# Altium PCB control_panel.PcbDoc (part 1 of 3)
Units mm, origin at the board's own origin, x right, y up, seen from the top; angles counter-clockwise.
Board outline 120 x 480 mm, 2 copper layers (Top Layer, Bottom Layer), stack 1.635 mm thick; 265 components, 200 nets, 829 pads, 401 vias.
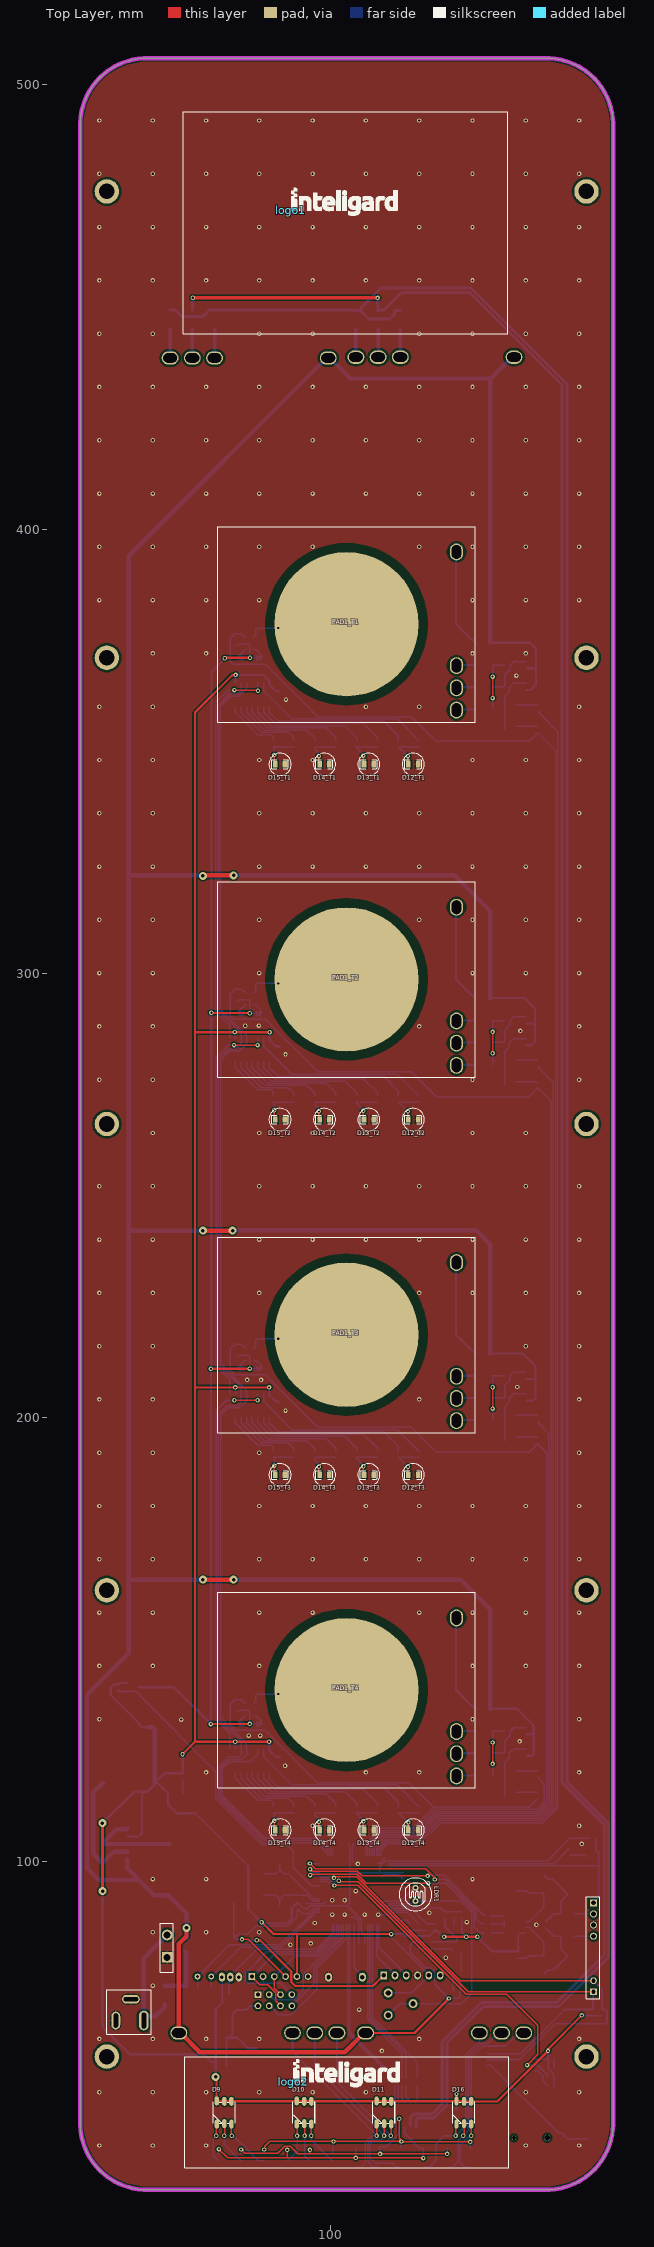
[diagram p0: Top Layer view]
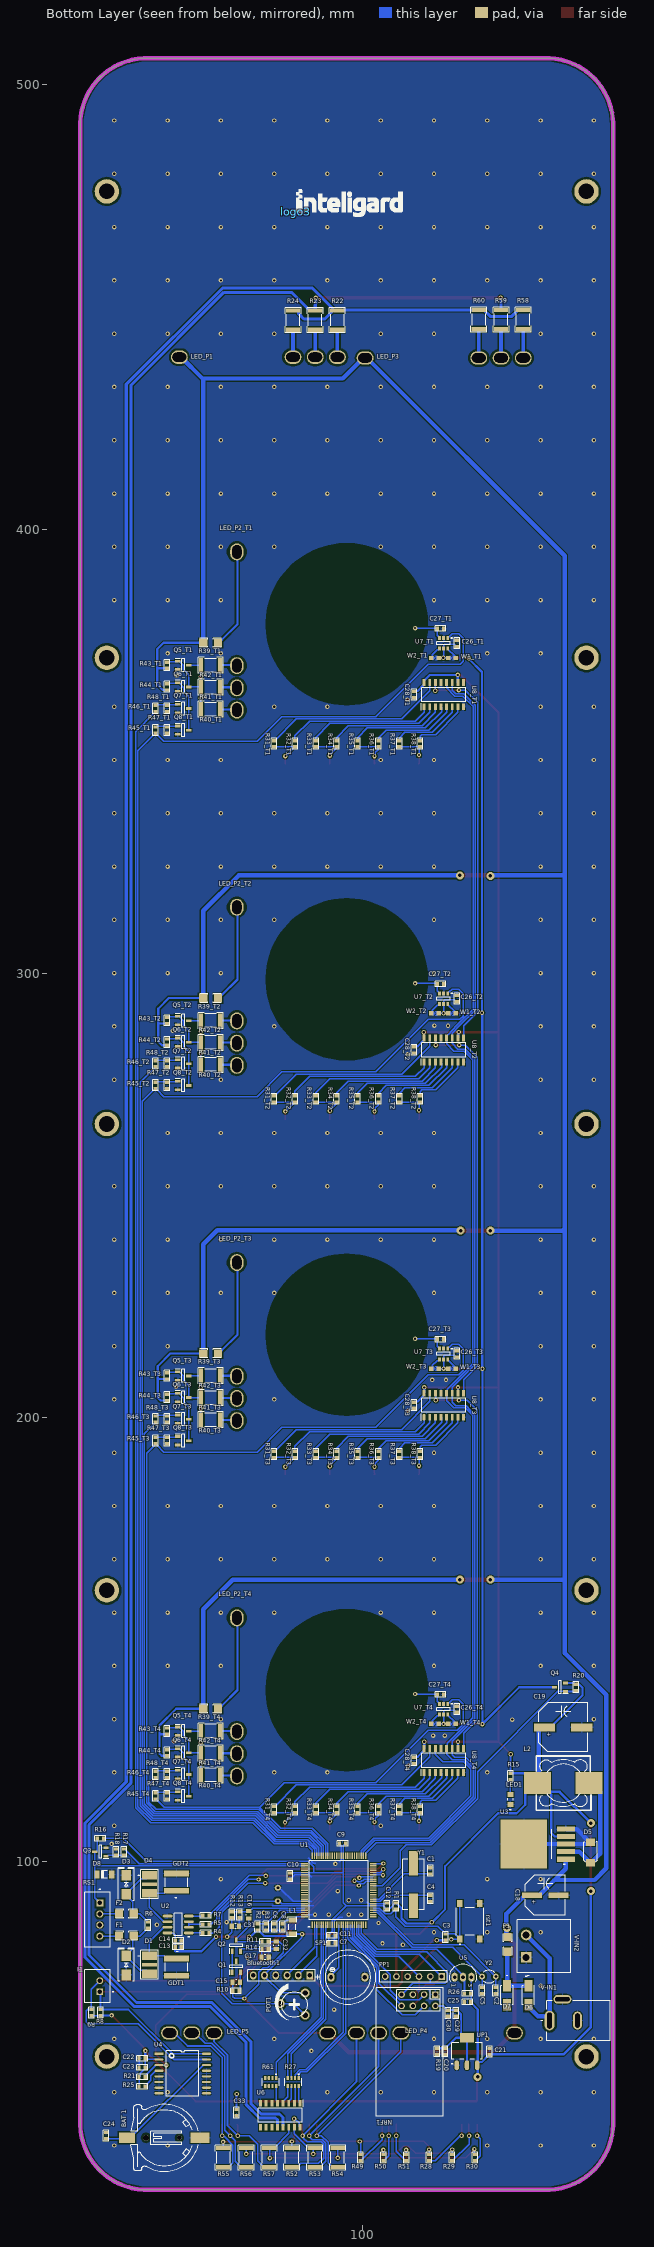
[diagram p1: Bottom Layer view, seen from below]
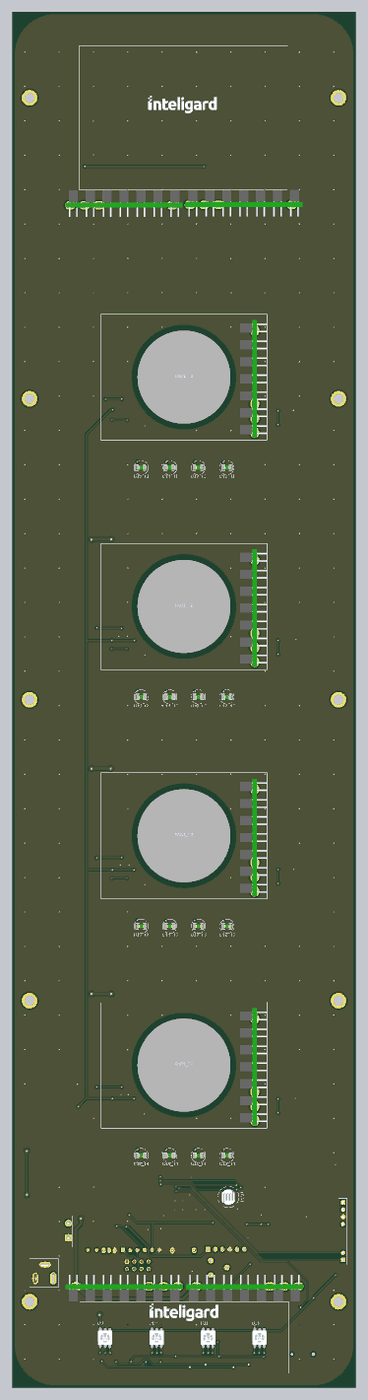
[diagram p4: 3D render of the assembled board from above, using the file's embedded part models]
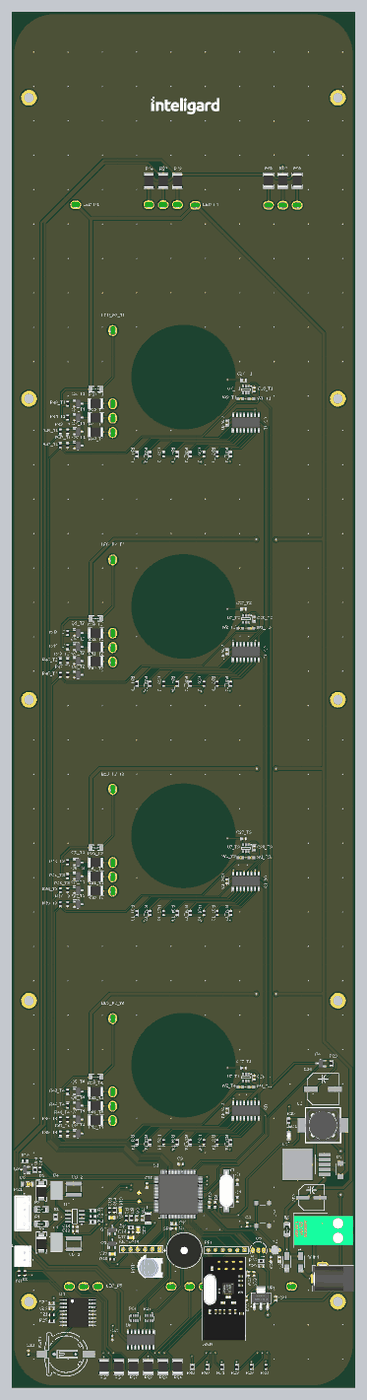
[diagram p5: 3D render of the assembled board from below, using the file's embedded part models]

## Layer stack, top to bottom
Top Solder: solder mask 0.0102, Solder Resist, Dk 3.5
Top Layer: signal copper 0.0175
Dielectric 1: dielectric 1.6, FR-4, Dk 4.8
Bottom Layer: signal copper 0.0175
Bottom Solder: solder mask 0.0102, Solder Resist, Dk 3.5

## Board outline
43.669,41.027 ccw(c58.669,41.027) 58.669,26.027 148.669,26.027 ccw(c148.669,41.027) 163.669,41.027 163.669,491.027 ccw(c148.669,491.027) 148.669,506.027 58.669,506.027 ccw(c58.669,491.027) 43.669,491.027

## Design rules (kind name [scope] priority, off if disabled: settings)
Clearance [All] p1: gap=0.2 ignorepadtopadclearanceinfootprint=TRUE except(0.3: Arc-Fill Arc-Poly Arc-Region Track-Fill Track-Poly Track-Region SMDPad-Fill SMDPad-Poly SMDPad-Region Via-Fill Via-Poly Via-Region; 0.5: THPad-Fill THPad-Poly THPad-Region)
PolygonConnect [All] p1: thpad.connectstyle=Relief thpad.reliefconductorwidth=0.4 thpad.reliefentries=4 thpad.polygonreliefangle="90 Angle" thpad.airgapwidth=0.2 smdpad.connectstyle=Relief smdpad.reliefconductorwidth=0.4 smdpad.reliefentries=4 smdpad.polygonreliefangle="90 Angle" smdpad.airgapwidth=0.2 via.connectstyle=Direct via.reliefconductorwidth=0.3 via.reliefentries=4 via.polygonreliefangle="90 Angle" via.airgapwidth=0.2
RoomDefinition T4 [InComponentClass('T4')] p1: confinementstyle=ConfineIn formatcopy=TRUE lockcomponents=FALSE outline 74.676,105.41 148.844,105.41 148.844,160.528 74.676,160.528
RoomDefinition T1 [InComponentClass('T1')] p2: confinementstyle=ConfineIn formatcopy=TRUE lockcomponents=FALSE outline 74.676,345.44 148.844,345.44 148.844,400.558 74.676,400.558
RoomDefinition U_white_noise [InComponentClass('U_white_noise')] p3 off: confinementstyle=ConfineIn formatcopy=TRUE lockcomponents=FALSE outline 164.719,146.05 219.075,146.05 219.075,152.654 164.719,152.654
RoomDefinition U_RS485 [InComponentClass('U_RS485')] p4 off: confinementstyle=ConfineIn formatcopy=TRUE lockcomponents=FALSE outline 164.846,128.397 283.845,128.397 283.845,144.78 164.846,144.78
RoomDefinition U_power [InComponentClass('U_power')] p5 off: confinementstyle=ConfineIn formatcopy=TRUE lockcomponents=FALSE outline 164.719,102.997 302.768,102.997 302.768,127.127 164.719,127.127
RoomDefinition U_micro [InComponentClass('U_micro')] p6 off: confinementstyle=ConfineIn formatcopy=TRUE lockcomponents=FALSE outline 166.751,85.598 325.628,85.598 325.628,106.172 166.751,106.172
RoomDefinition U_devices [InComponentClass('U_devices')] p7 off: confinementstyle=ConfineIn formatcopy=TRUE lockcomponents=FALSE outline 167.259,38.292 451.612,38.292 451.612,82.869 167.259,82.869
RoomDefinition top [InComponentClass('top')] p8 off: confinementstyle=ConfineIn formatcopy=TRUE lockcomponents=FALSE outline 173.101,26.924 183.515,26.924 183.515,33.528 173.101,33.528
RoomDefinition T3 [InComponentClass('T3')] p9: confinementstyle=ConfineIn formatcopy=TRUE lockcomponents=FALSE outline 74.676,185.42 148.844,185.42 148.844,240.538 74.676,240.538
RoomDefinition T2 [InComponentClass('T2')] p10: confinementstyle=ConfineIn formatcopy=TRUE lockcomponents=FALSE outline 74.676,265.43 148.844,265.43 148.844,320.548 74.676,320.548
RoutingVias [All] p1: holewidth=0.5 width=1 viastyle="Through Hole" minholewidth=0.4 minwidth=0.8 maxholewidth=1 maxwidth=2
SolderMaskExpansion [All] p1: expansion=0.102 istentingtop=FALSE
Width [All] p1: maxlimit=1 minlimit=0.254 preferedwidth=0.3 minimp=50.000000 maximp=50.000000 favimp=50.000000
30 further rules are at their usual default settings.

## Classes and differential pairs
net class LED_Touch[1..4]: LED_Touch1 LED_Touch2 LED_Touch3 LED_Touch4
channel class touchpad: T1 T2 T3 T4
net class touch[1..4]: T1 T2 T3 T4 touch1 touch2 touch3 touch4
net class LEDs_DO[1..4]: LEDs_DI1 LEDs_DI2 LEDs_DI3 LEDs_DO1
net class LEDs_DI[1..4]: LEDs_DI1 LEDs_DI2 LEDs_DI3 LEDs_DI4
component class U_white_noise: C15 C16 C17 C31 C32 Q1 Q2 R10 R11 R12 R13 R14
component class U_RS485: C13 C14 D1 D2 D3 D4 F1 F2 GDT1 GDT2 I1 R4 R5 R6 R7 R8 R9 RS1 U2
component class U_power: C18 C19 C20 C21 D5 D6 D7 F3 L2 LED1 R15 R19 U3 UP1 V-IN1 V-IN2
component class U_micro: Bluetooth1 C1 C2 C3 C4 C5 C6 C7 C8 C9 C10 C11 C12 D8 L1 PP1 Q3 R1 R2 R3 R16 R17 R18 rst1 U1 Y1 Y2
component class U_devices: "BAT 1" C22 C23 C24 C25 C29 C30 C33 D9 D10 D11 D16 LDR1 LED_P1 LED_P3 LED_P4 LED_P5 NRF1 POT1 R21 R22 R23 R24 R25 R26 R27 R28 R29 R30 R49 R50 R51 R52 R53 R54 R55 R56 R57 R58 R59 R60 R61 SP1 U4 U5 U6
component class T4: C26_T4 C27_T4 C28_T4 D12_T4 D13_T4 D14_T4 D15_T4 LED_P2_T4 PAD1_T4 Q5_T4 Q6_T4 Q7_T4 Q8_T4 R31_T4 R32_T4 R33_T4 R34_T4 R35_T4 R36_T4 R37_T4 R38_T4 R39_T4 R40_T4 R41_T4 R42_T4 R43_T4 R44_T4 R45_T4 R46_T4 R47_T4 R48_T4 U7_T4 U8_T4 W1_T4 W2_T4
component class T3: C26_T3 C27_T3 C28_T3 D12_T3 D13_T3 D14_T3 D15_T3 LED_P2_T3 PAD1_T3 Q5_T3 Q6_T3 Q7_T3 Q8_T3 R31_T3 R32_T3 R33_T3 R34_T3 R35_T3 R36_T3 R37_T3 R38_T3 R39_T3 R40_T3 R41_T3 R42_T3 R43_T3 R44_T3 R45_T3 R46_T3 R47_T3 R48_T3 U7_T3 U8_T3 W1_T3 W2_T3
component class T2: C26_T2 C27_T2 C28_T2 D12_T2 D13_T2 D14_T2 D15_T2 LED_P2_T2 PAD1_T2 Q5_T2 Q6_T2 Q7_T2 Q8_T2 R31_T2 R32_T2 R33_T2 R34_T2 R35_T2 R36_T2 R37_T2 R38_T2 R39_T2 R40_T2 R41_T2 R42_T2 R43_T2 R44_T2 R45_T2 R46_T2 R47_T2 R48_T2 U7_T2 U8_T2 W1_T2 W2_T2
component class T1: C26_T1 C27_T1 C28_T1 D12_T1 D13_T1 D14_T1 D15_T1 LED_P2_T1 PAD1_T1 Q5_T1 Q6_T1 Q7_T1 Q8_T1 R31_T1 R32_T1 R33_T1 R34_T1 R35_T1 R36_T1 R37_T1 R38_T1 R39_T1 R40_T1 R41_T1 R42_T1 R43_T1 R44_T1 R45_T1 R46_T1 R47_T1 R48_T1 U7_T1 U8_T1 W1_T1 W2_T1
component class top: Q4 R20

## Components (designator, comment, footprint, x,y, rotation, side; value= is the part's Value field where it differs from the comment)
"BAT 1" "BAT Backup" BATTERY_coin 150.844,37.719 r270 bottom
Bluetooth1 "Header 6" H-1x6 118.491,74.295 r0 bottom
C1 "22pf" 0603C 84.836,97.844 r270 bottom
C2 "22pf" 0603C 70.104,70.866 r90 bottom
C3 "100nF" 0603C 81.407,82.931 r90 bottom
C4 "22pf" 0603C 84.836,91.621 r90 bottom
C5 "22pf" 0603C 73.152,70.866 r270 bottom
C6 "100nF" 0603C 119.973,85.217 r270 bottom
C7 "100nF" 0603C 106.969,81.534 r180 bottom
C8 "100nF" 0603C 118.11,85.217 r270 bottom
C9 "100nF" 0603C 104.583,104.013 r0 bottom
C10 "100nF" 0603C 116.459,96.647 r270 bottom
C11 "100nF" 0603C 106.969,83.312 r180 bottom
C12 "100nF" 0603C 94.615,89.916 r90 bottom
C13 "10uF" 0603C 141.605,80.645 r180 bottom
C14 "100nF" 0603C 141.605,82.169 r180 bottom
C15 "100nF" cap805 127.707,72.736 r0 bottom
C16 "10uF" cap805 125.73,88.774 r270 bottom
C17 "10uF" cap805 121.222,78.36 r0 bottom
C18 "Aluminum 50v 100uF" "Cap SMD 100UF 35~50v" 58.928,92.329 r0 bottom value=100uF
C19 "Aluminum 16v 1000uF" "CAP SMD 1000UF 16V" 54.906,130.175 r0 bottom value=1000uF
C20 "22uF" 0603C 81.534,57.177 r90 bottom
C21 "22uF" 0603C 71.501,57.15 r270 bottom
C22 "22uF" 0603C 149.733,55.626 r180 bottom
C23 "100nF" 0603C 149.733,53.509 r180 bottom
C24 "100nF" 0603C 157.861,38.227 r270 bottom
C25 "100nF" 0603C 76.454,68.326 r180 bottom
C26_T1 "100nF" 0603C 78.867,374.269 r270 bottom (schematic designator C26)
C26_T2 "100nF" 0603C 78.867,294.259 r270 bottom (schematic designator C26)
C26_T3 "100nF" 0603C 78.867,214.249 r270 bottom (schematic designator C26)
C26_T4 "100nF" 0603C 78.867,134.239 r270 bottom (schematic designator C26)
C27_T1 "22pF" 0603C 82.55,377.571 r0 bottom (schematic designator C27)
C27_T2 "22pF" 0603C 82.55,297.561 r0 bottom (schematic designator C27)
C27_T3 "22pF" 0603C 82.55,217.551 r0 bottom (schematic designator C27)
C27_T4 "22pF" 0603C 82.55,137.541 r0 bottom (schematic designator C27)
C28_T1 "100nF" 0603C 88.519,362.712 r90 bottom (schematic designator C28)
C28_T2 "100nF" 0603C 88.519,282.702 r90 bottom (schematic designator C28)
C28_T3 "100nF" 0603C 88.519,202.692 r90 bottom (schematic designator C28)
C28_T4 "100nF" 0603C 88.519,122.682 r90 bottom (schematic designator C28)
C29 "100nF" 0603C 78.994,65.786 r90 bottom
C30 "10uF" 0603C 80.899,65.786 r90 bottom
C31 "100nF" cap805 129.54,85.345 r180 bottom
C32 "100nF" cap805 119.507,81.915 r270 bottom
C33 "100nF" 0603C 128.5,43.4 r90 bottom
D1 "TBU-CA065-200-WH" TBUCA025050WH 148.082,76.681 r270 bottom
D2 "SMBJ12CA" "DO214AA SMB" 153.308,76.327 r270 bottom
D3 "SMBJ12CA" "DO214AA SMB" 153.308,94.458 r270 bottom
D4 "TBU-CA065-200-WH" TBUCA025050WH 148.082,94.812 r270 bottom
D5 "1n5822" "SMA DIODE 2" 48.768,101.981 r90 bottom
D6 "ss110" ss110 62.738,69.829 r270 bottom
D7 "ss110" ss110 67.564,69.829 r270 bottom
D8 "5.1V" "Diode 1n4148 SMD" 156.6,97 r0 bottom
D9 "5050RGB" "5050 LED package" 76.073,43.434 r270 top
D10 "5050RGB" "5050 LED package" 94.065,43.434 r270 top
D11 "5050RGB" "5050 LED package" 112.056,43.434 r270 top
D12_T1 "LED RED" "LED_0805 G" 118.669,347.027 r0 top (schematic designator D12)
D12_T2 "LED RED" "LED_0805 G" 118.669,267.017 r0 top (schematic designator D12)
D12_T3 "LED RED" "LED_0805 G" 118.669,187.007 r0 top (schematic designator D12)
D12_T4 "LED RED" "LED_0805 G" 118.669,106.997 r0 top (schematic designator D12)
D13_T1 "LED RED" "LED_0805 G" 108.669,347.027 r0 top (schematic designator D13)
D13_T2 "LED RED" "LED_0805 G" 108.669,267.017 r0 top (schematic designator D13)
D13_T3 "LED RED" "LED_0805 G" 108.669,187.007 r0 top (schematic designator D13)
D13_T4 "LED RED" "LED_0805 G" 108.669,106.997 r0 top (schematic designator D13)
D14_T1 "LED RED" "LED_0805 G" 98.669,347.027 r0 top (schematic designator D14)
D14_T2 "LED RED" "LED_0805 G" 98.669,267.017 r0 top (schematic designator D14)
D14_T3 "LED RED" "LED_0805 G" 98.669,187.007 r0 top (schematic designator D14)
D14_T4 "LED RED" "LED_0805 G" 98.669,106.997 r0 top (schematic designator D14)
D15_T1 "LED RED" "LED_0805 G" 88.669,347.027 r0 top (schematic designator D15)
D15_T2 "LED RED" "LED_0805 G" 88.669,267.017 r0 top (schematic designator D15)
D15_T3 "LED RED" "LED_0805 G" 88.669,187.007 r0 top (schematic designator D15)
D15_T4 "LED RED" "LED_0805 G" 88.669,106.997 r0 top (schematic designator D15)
D16 "5050RGB" "5050 LED package" 130.048,43.434 r270 top
F1 "fuse 100mAmp" "1206 FUSE" 153.289,83.185 r0 bottom
F2 "fuse 100mAmp" "1206 FUSE" 153.289,88.185 r0 bottom
F3 "fuse 2amp" "1206 FUSE" 67.437,81.28 r90 bottom
GDT1 "2031-15T-SM-RPLF" TVS_2031-15T-SM-RPLF 141.986,76.182 r270 bottom
GDT2 "2031-15T-SM-RPLF" TVS_2031-15T-SM-RPLF 141.986,95.312 r90 bottom
I1 "B2B-XH" JST-B2B-XH 159.258,71.862 r90 bottom locked
L1 "10uH" IND1206 115.951,85.217 r90 bottom
L2 "inductor 100uH" INDUCTOR 54.9,117.6 r270 bottom value=100uH
LDR1 "PhotoCell" PhotoCell 119.169,92.527 r270 top locked
LED1 "LED RED" LED_7012X1 66.802,113.919 r90 bottom
LED_P1 "LED pack 7" LED_PAKC_7 141.501,438.713 r270 bottom
LED_P2_T1 "LED pack 7" LED_PAKC_7 128.397,394.993 r0 bottom (schematic designator LED_P2)
LED_P2_T2 "LED pack 7" LED_PAKC_7 128.397,314.983 r0 bottom (schematic designator LED_P2)
LED_P2_T3 "LED pack 7" LED_PAKC_7 128.397,234.973 r0 bottom (schematic designator LED_P2)
LED_P2_T4 "LED pack 7" LED_PAKC_7 128.397,154.963 r0 bottom (schematic designator LED_P2)
LED_P3 "LED pack 7" LED_PAKC_7 99.664,438.531 r270 bottom
LED_P4 "LED pack 7" LED_PAKC_7 65.723,61.341 r90 bottom locked
LED_P5 "LED pack 7" LED_PAKC_7 107.8,61.341 r90 bottom locked
logo1 "logo-8080" logo-8080 91.1,471.8 r0 top
logo2 "logo-8080" logo-8080 91.6,50.4 r0 top
logo3 "logo-8080" logo-8080 115.1,471.4 r180 bottom
NRF1 "NRF24L01+" NRF24L01P 83.693,69.977 r0 bottom
PAD1_T1 "TouschPAD" TOUCHPAD 103.632,378.587 r0 top (schematic designator PAD1)
PAD1_T2 "TouschPAD" TOUCHPAD 103.632,298.577 r0 top (schematic designator PAD1)
PAD1_T3 "TouschPAD" TOUCHPAD 103.632,218.567 r0 top (schematic designator PAD1)
PAD1_T4 "TouschPAD" TOUCHPAD 103.632,138.557 r0 top (schematic designator PAD1)
POT1 "100K" "POT 2" 113.018,65.345 r90 bottom
PP1 "Header 6" HDR1X6 82.296,74.041 r0 bottom
Q1 "2N2222A" SOT95P280X130-3N 128.535,76.272 r270 bottom
Q2 "2N2222A" SOT95P280X130-3N 128.523,81.026 r270 bottom
Q3 "2N2222A" SOT95P280X130-3N 159.131,102.108 r180 bottom
Q4 "NDS356AP" SOT95P280X130-3N 55.626,139.192 r180 bottom
Q5_T1 "2N2222A" soT95p280x130-3n 140.462,369.316 r0 bottom (schematic designator Q5)
Q5_T2 "2N2222A" soT95p280x130-3n 140.462,289.306 r0 bottom (schematic designator Q5)
Q5_T3 "2N2222A" soT95p280x130-3n 140.462,209.296 r0 bottom (schematic designator Q5)
Q5_T4 "2N2222A" soT95p280x130-3n 140.462,129.286 r0 bottom (schematic designator Q5)
Q6_T1 "2N2222A" soT95p280x130-3n 140.462,364.448 r0 bottom (schematic designator Q6)
Q6_T2 "2N2222A" soT95p280x130-3n 140.462,284.438 r0 bottom (schematic designator Q6)
Q6_T3 "2N2222A" soT95p280x130-3n 140.462,204.428 r0 bottom (schematic designator Q6)
Q6_T4 "2N2222A" soT95p280x130-3n 140.462,124.418 r0 bottom (schematic designator Q6)
Q7_T1 "2N2222A" soT95p280x130-3n 140.462,359.579 r0 bottom (schematic designator Q7)
Q7_T2 "2N2222A" soT95p280x130-3n 140.462,279.569 r0 bottom (schematic designator Q7)
Q7_T3 "2N2222A" soT95p280x130-3n 140.462,199.559 r0 bottom (schematic designator Q7)
Q7_T4 "2N2222A" soT95p280x130-3n 140.462,119.549 r0 bottom (schematic designator Q7)
Q8_T1 "2N2222A" soT95p280x130-3n 140.462,354.711 r0 bottom (schematic designator Q8)
Q8_T2 "2N2222A" soT95p280x130-3n 140.462,274.701 r0 bottom (schematic designator Q8)
Q8_T3 "2N2222A" soT95p280x130-3n 140.462,194.691 r0 bottom (schematic designator Q8)
Q8_T4 "2N2222A" soT95p280x130-3n 140.462,114.681 r0 bottom (schematic designator Q8)
R1 "1K" 0603R 92.583,89.916 r90 bottom
R2 "1K" 0603R 123.698,85.217 r270 bottom
R3 "1K" 0603R 121.835,85.217 r90 bottom
R4 "200" 0603R 135.382,83.82 r180 bottom
R5 "200" 0603R 135.382,85.788 r180 bottom
R6 "120R" 0603R 148.357,85.629 r90 bottom
R7 "200" 0603R 135.382,87.757 r180 bottom
R8 "4.7K" 0603R 159.131,65.913 r90 bottom
R9 "4.7K" 0603R 161.163,65.913 r90 bottom
R10 "680K" 0603R 128.596,70.831 r0 bottom
R11 "4.7K" 0603R 122.047,81.916 r180 bottom
R12 "220K" 0603R 129.54,87.949 r270 bottom
R13 "220K" 0603R 127.762,87.949 r90 bottom
R14 "1K" 0603R 122.047,80.265 r0 bottom
R15 "1K" 0603R 66.802,119.126 r270 bottom
R16 "4.7K" 0603R 159.131,105.156 r0 bottom
R17 "1K" 0603R 153.797,102.083 r90 bottom
R18 "10K" 0603R 155.575,102.083 r90 bottom
R19 "330" 0603R 83.312,57.177 r270 bottom
R20 "1K" 0603R 52.07,139.167 r270 bottom
R21 "1K" 0603R 149.733,51.393 r0 bottom
R22 "1K" RES1812 105.751,447.04 r90 bottom
R23 "1K" RES1812 110.751,447.04 r270 bottom
R24 "1K" RES1812 115.751,447.04 r270 bottom
R25 "1K" 0603R 149.733,49.276 r0 bottom
R26 "1K" 0603R 76.454,70.231 r180 bottom
R27 "RES ARRAY SMD" RESCAXE80P320X160X70-8N 115.697,50.292 r270 bottom
R28 "1K" 0603R 85.102,33.274 r270 bottom
R29 "1K" 0603R 79.952,33.274 r270 bottom
R30 "1K" 0603R 74.803,33.274 r270 bottom
R31_T1 "470R" 0603R 120.015,351.663 r90 bottom (schematic designator R31)
R31_T2 "470R" 0603R 120.015,271.653 r90 bottom (schematic designator R31)
R31_T3 "470R" 0603R 120.015,191.643 r90 bottom (schematic designator R31)
R31_T4 "470R" 0603R 120.015,111.633 r90 bottom (schematic designator R31)
R32_T1 "1K" 0603R 115.316,351.663 r90 bottom (schematic designator R32)
R32_T2 "1K" 0603R 115.316,271.653 r90 bottom (schematic designator R32)
R32_T3 "1K" 0603R 115.316,191.643 r90 bottom (schematic designator R32)
R32_T4 "1K" 0603R 115.316,111.633 r90 bottom (schematic designator R32)
R33_T1 "470R" 0603R 110.617,351.663 r90 bottom (schematic designator R33)
R33_T2 "470R" 0603R 110.617,271.653 r90 bottom (schematic designator R33)
R33_T3 "470R" 0603R 110.617,191.643 r90 bottom (schematic designator R33)
R33_T4 "470R" 0603R 110.617,111.633 r90 bottom (schematic designator R33)
R34_T1 "1K" 0603R 105.918,351.663 r90 bottom (schematic designator R34)
R34_T2 "1K" 0603R 105.918,271.653 r90 bottom (schematic designator R34)
R34_T3 "1K" 0603R 105.918,191.643 r90 bottom (schematic designator R34)
R34_T4 "1K" 0603R 105.918,111.633 r90 bottom (schematic designator R34)
R35_T1 "470R" 0603R 101.219,351.663 r90 bottom (schematic designator R35)
R35_T2 "470R" 0603R 101.219,271.653 r90 bottom (schematic designator R35)
R35_T3 "470R" 0603R 101.219,191.643 r90 bottom (schematic designator R35)
R35_T4 "470R" 0603R 101.219,111.633 r90 bottom (schematic designator R35)
R36_T1 "1K" 0603R 96.52,351.663 r90 bottom (schematic designator R36)
R36_T2 "1K" 0603R 96.52,271.653 r90 bottom (schematic designator R36)
R36_T3 "1K" 0603R 96.52,191.643 r90 bottom (schematic designator R36)
R36_T4 "1K" 0603R 96.52,111.633 r90 bottom (schematic designator R36)
R37_T1 "470R" 0603R 91.821,351.663 r90 bottom (schematic designator R37)
R37_T2 "470R" 0603R 91.821,271.653 r90 bottom (schematic designator R37)
R37_T3 "470R" 0603R 91.821,191.643 r90 bottom (schematic designator R37)
R37_T4 "470R" 0603R 91.821,111.633 r90 bottom (schematic designator R37)
R38_T1 "1K" 0603R 87.122,351.663 r90 bottom (schematic designator R38)
R38_T2 "1K" 0603R 87.122,271.653 r90 bottom (schematic designator R38)
R38_T3 "1K" 0603R 87.122,191.643 r90 bottom (schematic designator R38)
R38_T4 "1K" 0603R 87.122,111.633 r90 bottom (schematic designator R38)
R39_T1 "fuse 2amp" "1206 FUSE" 134.304,374.396 r180 bottom value=0R (schematic designator R39)
R39_T2 "fuse 2amp" "1206 FUSE" 134.304,294.386 r180 bottom value=0R (schematic designator R39)
R39_T3 "fuse 2amp" "1206 FUSE" 134.304,214.376 r180 bottom value=0R (schematic designator R39)
R39_T4 "fuse 2amp" "1206 FUSE" 134.304,134.366 r180 bottom value=0R (schematic designator R39)
R40_T1 "1K" RES1812 134.304,359.41 r0 bottom (schematic designator R40)
R40_T2 "1K" RES1812 134.304,279.4 r0 bottom (schematic designator R40)
R40_T3 "1K" RES1812 134.304,199.39 r0 bottom (schematic designator R40)
R40_T4 "1K" RES1812 134.304,119.38 r0 bottom (schematic designator R40)
R41_T1 "1K" RES1812 134.304,364.363 r0 bottom (schematic designator R41)
R41_T2 "1K" RES1812 134.304,284.353 r0 bottom (schematic designator R41)
R41_T3 "1K" RES1812 134.304,204.343 r0 bottom (schematic designator R41)
R41_T4 "1K" RES1812 134.304,124.333 r0 bottom (schematic designator R41)
R42_T1 "1K" RES1812 134.304,369.316 r0 bottom (schematic designator R42)
R42_T2 "1K" RES1812 134.304,289.306 r0 bottom (schematic designator R42)
R42_T3 "1K" RES1812 134.304,209.296 r0 bottom (schematic designator R42)
R42_T4 "1K" RES1812 134.304,129.286 r0 bottom (schematic designator R42)
R43_T1 "1K" 0603R 144.145,369.341 r90 bottom (schematic designator R43)
R43_T2 "1K" 0603R 144.145,289.331 r90 bottom (schematic designator R43)
R43_T3 "1K" 0603R 144.145,209.321 r90 bottom (schematic designator R43)
R43_T4 "1K" 0603R 144.145,129.311 r90 bottom (schematic designator R43)
R44_T1 "1K" 0603R 144.145,364.473 r90 bottom (schematic designator R44)
R44_T2 "1K" 0603R 144.145,284.463 r90 bottom (schematic designator R44)
R44_T3 "1K" 0603R 144.145,204.453 r90 bottom (schematic designator R44)
R44_T4 "1K" 0603R 144.145,124.443 r90 bottom (schematic designator R44)
R45_T1 "1K" 0603R 146.685,354.736 r90 bottom (schematic designator R45)
R45_T2 "1K" 0603R 146.685,274.726 r90 bottom (schematic designator R45)
R45_T3 "1K" 0603R 146.685,194.716 r90 bottom (schematic designator R45)
R45_T4 "1K" 0603R 146.685,114.706 r90 bottom (schematic designator R45)
R46_T1 "1K" 0603R 146.685,359.604 r270 bottom (schematic designator R46)
R46_T2 "1K" 0603R 146.685,279.594 r270 bottom (schematic designator R46)
R46_T3 "1K" 0603R 146.685,199.584 r270 bottom (schematic designator R46)
R46_T4 "1K" 0603R 146.685,119.574 r270 bottom (schematic designator R46)
R47_T1 "10K" 0603R 144.145,354.736 r270 bottom (schematic designator R47)
R47_T2 "10K" 0603R 144.145,274.726 r270 bottom (schematic designator R47)
R47_T3 "10K" 0603R 144.145,194.716 r270 bottom (schematic designator R47)
R47_T4 "10K" 0603R 144.145,114.706 r270 bottom (schematic designator R47)
R48_T1 "10K" 0603R 144.145,359.604 r270 bottom (schematic designator R48)
R48_T2 "10K" 0603R 144.145,279.594 r270 bottom (schematic designator R48)
R48_T3 "10K" 0603R 144.145,199.584 r270 bottom (schematic designator R48)
R48_T4 "10K" 0603R 144.145,119.574 r270 bottom (schematic designator R48)
R49 "1K" 0603R 100.549,33.274 r270 bottom
R50 "1K" 0603R 95.4,33.274 r270 bottom
R51 "1K" 0603R 90.251,33.274 r270 bottom
R52 "1K" RES1812 115.997,33.274 r270 bottom
R53 "1K" RES1812 110.848,33.274 r270 bottom
R54 "1K" RES1812 105.699,33.274 r270 bottom
R55 "1K" RES1812 131.445,33.274 r270 bottom
R56 "1K" RES1812 126.296,33.274 r270 bottom
R57 "1K" RES1812 121.146,33.274 r270 bottom
R58 "1K" RES1812 63.914,447.167 r90 bottom
R59 "1K" RES1812 68.914,447.167 r270 bottom
R60 "1K" RES1812 73.914,447.167 r270 bottom
R61 "RES ARRAY SMD" RESCAXE80P320X160X70-8N 120.777,50.292 r270 bottom
RS1 "B4B-XH" JST-B4B-XH 159.258,86.879 r270 bottom locked
rst1 "tact switch" DTSM63NVB 75.946,86.487 r90 bottom
SP1 "BUZZER" "BUZZER 7.62mm DC" 103.39,73.9 r180 bottom
U1 "ATMEGA2560-16AUR" QFP50P1600X1600X120-100N 105.41,93.472 r90 bottom locked
U2 "ADM4850ARZ" SO8_N 141.605,85.769 r0 bottom
U3 "lm2596-5" 2596 63.754,103.886 r180 bottom
U4 "DS3231" SO-16W 140.589,52.197 r180 bottom
U5 "DS1820" DS1820 77.47,73.914 r270 bottom
U6 "ULN2003ADR2G" SOIC127P600X175-16N#1 118.618,42.799 r270 bottom
U7_T1 "TTP223" SOT23-6_L 81.845,374.269 r270 bottom (schematic designator U7)
U7_T2 "TTP223" SOT23-6_L 81.845,294.259 r270 bottom (schematic designator U7)
U7_T3 "TTP223" SOT23-6_L 81.845,214.249 r270 bottom (schematic designator U7)
U7_T4 "TTP223" SOT23-6_L 81.845,134.239 r270 bottom (schematic designator U7)
U8_T1 "74HC595D" SOIC127P600X175-16N#1 81.788,362.712 r90 bottom (schematic designator U8)
U8_T2 "74HC595D" SOIC127P600X175-16N#1 81.788,282.702 r90 bottom (schematic designator U8)
U8_T3 "74HC595D" SOIC127P600X175-16N#2 81.788,202.692 r90 bottom (schematic designator U8)
U8_T4 "74HC595D" SOIC127P600X175-16N#1 81.788,122.682 r90 bottom (schematic designator U8)
UP1 "ams1117-3V3" SOT223 76.581,57.277 r90 bottom
V-IN1 "DC jack poser" GCT_DCJ235-05-A-XX-X_REVA 51.435,64.135 r90 bottom locked
V-IN2 "Phoenix" AMPHENOL_OQ0271510000G 63.246,78.359 r90 bottom locked
W1_T1 "Jumper" JUMPER 79.922,370.967 r180 bottom (schematic designator W1)
W1_T2 "Jumper" JUMPER 79.922,290.957 r180 bottom (schematic designator W1)
W1_T3 "Jumper" JUMPER 79.922,210.947 r180 bottom (schematic designator W1)
W1_T4 "Jumper" JUMPER 79.922,130.937 r180 bottom (schematic designator W1)
W2_T1 "Jumper" JUMPER 83.769,370.967 r180 bottom (schematic designator W2)
W2_T2 "Jumper" JUMPER 83.769,290.957 r180 bottom (schematic designator W2)
W2_T3 "Jumper" JUMPER 83.769,210.947 r180 bottom (schematic designator W2)
W2_T4 "Jumper" JUMPER 83.769,130.937 r180 bottom (schematic designator W2)
Y1 "crystal 16MHz" XTAL_ECS-180-S-5P-DN-TR 88.646,94.769 r90 bottom value=16MHz
Y2 "crystal 32768" "XTAL RTC" 71.628,74.041 r270 bottom value=32768

## Footprints (in the part's own frame and the unit in brackets; to place one, negate y for a bottom-side part, rotate by r counter-clockwise, add the part's x,y. Pads: shape width x height; smd on the part's side, far side on the other; paste and mask are expansions set on the pad)
0603C [mm]
  rect 0.75x0.94 smd: 1(-0.7,0) 2(0.7,0)
  silkscreen extent -1.22,-0.62 1.22,0.62, body extent -0.8,-0.4 0.8,0.4, height 0.9
0603R [mm]
  rect 0.75x0.94 smd: 1(-0.7,0) 2(0.7,0)
  silkscreen extent -1.22,-0.62 1.23,0.62, body extent -0.79,-0.42 0.79,0.43, height 0.5
"1206 FUSE" [mm] "Fast Acting Smd 1206 non-Resettable Fuse Chip For Pcb Board-Design:Abbas Basereh"
  rect 1.85x1.85 smd: 1(-1.65,0) 2(1.65,0)
  silkscreen extent -2.41,-1.02 2.41,1.02, body extent -1.6,-0.8 1.6,0.8, height 1
2596 [mm]
  rect 4x1.2 smd: 1(9.448,-3.4) 2(9.448,-1.7) 3(9.448,0) 4(9.448,1.7) 5(9.448,3.4)
  rect 10.5x11.05 smd: 3(0,0)
  silkscreen extent 6.3,-4.67 9.17,3.35, body extent -1.1,-3.35 5.1,3.35, height 2.38
"5050 LED package" [mm] "DESIGNER ABBAS BASEREH"
  oval 2x1 smd: 1(2.6,-1.65) 2(2.5,0.05) 3(2.6,1.65) 4(-2.5,1.65) 5(-2.5,0.05) 6(-2.6,-1.65)
  silkscreen extent -2.41,-2.49 2.4,2.51, body extent -2.75,-2.5 2.75,2.5, height 1.55
AMPHENOL_OQ0271510000G [mm]
  rect 2.4x2.4 hole 1.6: 1(0,0)
  round 2.4 hole 1.6: 2(5.04,0)
  silkscreen extent -4.35,-10 8.5,2, body extent -2.67,-18.92 7.49,1.73, height 15.1
BATTERY_coin [mm]
  rect 2.3x3.66 smd: 1(0,-2.295)
  rect 2.3x4.3 smd: 2(0,14.146)
  round 1.3 hole 1.3 unplated: ""(0,2)
  round 1 hole 1 unplated: ""(0,9.5)
  silkscreen extent -7.65,-1.44 7.65,13.63
"BUZZER 7.62mm DC" [mm] "BUZZER 12mm DIA , 7.62mm pitch DESIGNER ABBAS BASEREH"
  oval 1.6x2 hole 1: 1(-3.81,0) 2(3.81,0)
  silkscreen extent -7.3,-6.2 6.2,6.2, body extent -6,-6 6,6, height 9.5
cap805 [mm]
  rect 0.95x1.3 smd: 1(0,0) 2(1.65,0)
  silkscreen extent 0.67,-0.55 0.97,0.55, body extent -0.19,-0.64 1.84,0.63, height 0.65
"Cap SMD 100UF 35~50v" [mm]
  rect 4.5x1.3 smd: 1(3,0) 2(-3,0)
  silkscreen extent -4.5,-4.5 4.5,4.5
"CAP SMD 1000UF 16V" [mm]
  rect 4.8x1.8 smd: 1(4.2,0) 2(-4.2,0)
  silkscreen extent -5.5,-5.5 5.5,5.5
"Diode 1n4148 SMD" [mm] "Mini MELF SOD-80"
  rect 1.2x1.75 smd: 1(0,0) 2(3.3,0)
  silkscreen extent 1.04,-0.87 2.22,0.87, body extent -0.13,-0.75 3.37,0.75, height 1.55
"DO214AA SMB" [mm]
  rect 2.45x2.15 smd: 1(1.896,0) 2(-2.404,0)
  silkscreen extent -4.05,-1.8 3.35,1.8, body extent -2.85,-1.8 2.35,1.8, height 2.4
DS1820 [mm]
  oval 2x1.4 hole 0.8: 1(0,-1.905) 2(0,0) 3(0,1.905)
  silkscreen extent -3,-3 1.09,3
DTSM63NVB [mm]
  rect 1.55x1.3 smd: 1(-3.975,2.25) 2(3.975,2.25) 3(-3.975,-2.25) 4(3.975,-2.25)
  silkscreen extent -5.3,-3.1 3.1,3.1
GCT_DCJ235-05-A-XX-X_REVA [mm]
  oval 4.4x2.2 hole 1 slot 3.6 at 0 deg: 1(0,6.55)
  oval 4x2 hole 1 slot 3.2 at 0 deg: 2(0,0.25)
  oval 2x4 hole 1 slot 3.2 at 90 deg: 3(4.8,3.65)
  silkscreen extent -4.5,-7.15 4.5,8.4, body extent -4.63,-7.24 4.77,7.16, height 11
H-1x6 [mm]
  rect 1.5x1.8 hole 1: 1(-6.477,0)
  oval 1.5x1.8 hole 1: 2.5(-3.937,0) 3(-1.397,0) 4(1.143,0) 5(3.683,0) 6(6.223,0)
  silkscreen extent -7.75,-1.27 7.49,1.27
HDR1X6 [mm] "Connector; Header; 6 Position"
  rect 1.5x1.5 hole 0.9: 1(0,0)
  round 1.5 hole 0.9: 2(2.54,0) 3(5.08,0) 4(7.62,0) 5(10.16,0) 6(12.7,0)
  silkscreen extent -1.27,-1.27 13.97,1.27
IND1206 [mm] "Chip Inductor, 2-Leads, Body 3/20x1/60mm, IPC Medium Density DESIGNER:ABBAS BASEREH"
  rect 1.04x1.74 smd: 1(-1.51,0) 2(1.51,0)
  silkscreen extent -2.2,-1.05 2.2,1.05, body extent -1.65,-0.85 1.65,0.85, height 0.94
INDUCTOR [mm]
  rect 5x6 smd: 1(0,5.8) 2(0,-5.8)
  silkscreen extent -6.1,-6.1 6.1,6.22, body extent -6,-6.17 6,6.17, height 7.5
JST-B2B-XH [mm]
  rect 1.508x1.508 hole 1: 1(-1.25,0)
  round 1.508 hole 1: 2(1.25,0)
  silkscreen extent -3.7,-3.07 3.7,3.4, body extent -3.7,-2.33 3.7,3.42, height 7
JST-B4B-XH [mm]
  rect 1.59x1.59 hole 1.06: 1(-3.75,0)
  round 1.59 hole 1.06: 2(-1.25,0) 3(1.25,0) 4(3.75,0)
  silkscreen extent -6.91,-3.4 6.2,2.35, body extent -6.2,-3.4 6.2,2.35, height 7
JUMPER [mm]
  rect 1x1 smd mask+0.05: 1(-0.85,0) 2(0.85,0)
  Top Layer region: -0.375,0.5 0.125,0 -0.375,-0.5 -0.525,-0.5 -0.525,0.5
  Top Layer region: 0.475,0.05 0.475,-0.5 -0.075,-0.5
  Top Layer region: 0.475,0.5 -0.075,0.5 0.475,-0.05
"LED_0805 G" [mm]
  rect 1.05x1.4 smd: 1(-1.1,0) 2(1.1,0)
  silkscreen extent -1.91,-0.97 1.89,0.98, body extent -1,-0.62 1.02,0.63, height 1.1
LED_7012X1 [mm]
  rect 1.15x1.3 smd: A(1.125,0) C(-1.125,0)
  silkscreen extent -2.4,-0.63 0.23,0.63, body extent -1,-0.62 1,0.62, height 0.73
LED_PAKC_7 [mm]
  oval 3x3.8 hole 3.1 slot 2.1 at 0 deg: 1(0,0.15) 2(0,25.75) 3(0,30.75) 4(0,35.75)
  body extent -5.17,-3.51 4.08,37.5, height 2.8
logo-8080 [mm]
  silkscreen extent 0.06,-1.12 24.07,5.03
NRF24L01P [mm] "NRFL01+ Module"
  rect 1.5x1.5 hole 0.9: 1(0,0)
  round 1.5 hole 0.9: 2(0,2.54) 3(2.54,0) 4(2.54,2.54) 5(5.08,0) 6(5.08,2.54) 7(7.62,0) 8(7.62,2.54)
  silkscreen extent -1.72,-1.59 13.28,27.41, body extent -1.72,-1.59 13.28,27.41, height 15.5
PhotoCell [mm]
  oval 1.27x1.397 hole 0.635: 1(-1.5,0) 2(1.5,0)
  silkscreen extent -2.58,-2.15 2.58,2.15, body extent -2.61,-2.16 2.61,2.14, height 2.44
"POT 2" [mm] "Trimmer"
  round 2 hole 1.2: 1(0,0) 2(5,0) 3(2.6,5.6)
  silkscreen extent -1.15,-0.44 7.04,6.69, body extent -0.91,-2.1 5.9,6.15, height 8.62
QFP50P1600X1600X120-100N [mm]
  rect 1.5x0.3 smd mask+0.04: 1(-7.75,6) 2(-7.75,5.5) 3(-7.75,5) 4(-7.75,4.5) 5(-7.75,4) 6(-7.75,3.5) 7(-7.75,3) 8(-7.75,2.5) 9(-7.75,2) 10(-7.75,1.5) 11(-7.75,1) 12(-7.75,0.5) 13(-7.75,0) 14(-7.75,-0.5) 15(-7.75,-1) 16(-7.75,-1.5) 17(-7.75,-2) 18(-7.75,-2.5) 19(-7.75,-3) 20(-7.75,-3.5) 21(-7.75,-4) 22(-7.75,-4.5) 23(-7.75,-5) 24(-7.75,-5.5) 25(-7.75,-6) 51(7.75,-6) 52(7.75,-5.5) 53(7.75,-5) 54(7.75,-4.5) 55(7.75,-4) 56(7.75,-3.5) 57(7.75,-3) 58(7.75,-2.5) 59(7.75,-2) 60(7.75,-1.5) 61(7.75,-1) 62(7.75,-0.5) 63(7.75,0) 64(7.75,0.5) 65(7.75,1) 66(7.75,1.5) 67(7.75,2) 68(7.75,2.5) 69(7.75,3) 70(7.75,3.5) 71(7.75,4) 72(7.75,4.5) 73(7.75,5) 74(7.75,5.5) 75(7.75,6)
  rect 0.3x1.5 smd mask+0.04: 26(-6,-7.75) 27(-5.5,-7.75) 28(-5,-7.75) 29(-4.5,-7.75) 30(-4,-7.75) 31(-3.5,-7.75) 32(-3,-7.75) 33(-2.5,-7.75) 34(-2,-7.75) 35(-1.5,-7.75) 36(-1,-7.75) 37(-0.5,-7.75) 38(0,-7.75) 39(0.5,-7.75) 40(1,-7.75) 41(1.5,-7.75) 42(2,-7.75) 43(2.5,-7.75) 44(3,-7.75) 45(3.5,-7.75) 46(4,-7.75) 47(4.5,-7.75) 48(5,-7.75) 49(5.5,-7.75) 50(6,-7.75) 76(6,7.75) 77(5.5,7.75) 78(5,7.75) 79(4.5,7.75) 80(4,7.75) 81(3.5,7.75) 82(3,7.75) 83(2.5,7.75) 84(2,7.75) 85(1.5,7.75) 86(1,7.75) 87(0.5,7.75) 88(0,7.75) 89(-0.5,7.75) 90(-1,7.75) 91(-1.5,7.75) 92(-2,7.75) 93(-2.5,7.75) 94(-3,7.75) 95(-3.5,7.75) 96(-4,7.75) 97(-4.5,7.75) 98(-5,7.75) 99(-5.5,7.75) 100(-6,7.75)
  silkscreen extent -8.37,-6.65 6.65,6.88, body extent -8,-8 8,8, height 1.2
RES1812 [mm] "Chip Resistor, 2-Leads, Body 4/50x3/20mm, IPC Medium Density DESIGNER:ABBAS BASEREH"
  rect 0.95x3.25 smd: 1(-2.15,0) 2(2.15,0)
  silkscreen extent -2.83,-1.8 2.83,1.8, body extent -2.27,-1.62 2.28,1.62, height 0.55
RESCAXE80P320X160X70-8N [mm]
  rrect50% 0.9x0.61 smd: 1(-0.885,1.24) 4(-0.885,-1.24) 5(0.885,-1.24) 8(0.885,1.24)
  rrect50% 0.9x0.53 smd: 2(-0.885,0.4) 3(-0.885,-0.4) 6(0.885,-0.4) 7(0.885,0.4)
  silkscreen extent -1.88,-1.87 0.88,1.87
"SMA DIODE 2" [mm]
  rect 1.7x2 smd: 1(2.3,0) 2(-2.3,0)
  silkscreen extent -2.25,-1.5 2.4,1.5, body extent -2.1,-1.3 2.1,1.3, height 0.55
SO8_N [mm] "SOIC, 8-Leads, Body 4.9x3.9mm, Pitch 1.27mm, IPC Medium Density"
  oval 2.2x0.6 smd: 1(-2.4,1.905) 2(-2.4,0.635) 3(-2.4,-0.635) 4(-2.4,-1.905) 5(2.4,-1.905) 6(2.4,-0.635) 7(2.4,0.635) 8(2.4,1.905)
  silkscreen extent -2.52,-2.5 0.9,2.88, body extent -2,-2.5 2,2.5, height 1.75
SO-16W [mm]
  rect 2x0.5 smd: 1(-5.35,4.445)
  oval 2x0.5 smd: 2(-5.35,3.175) 3(-5.35,1.905) 4(-5.35,0.635) 5(-5.35,-0.635) 6(-5.35,-1.905) 7(-5.35,-3.175) 8(-5.35,-4.445) 9(5.35,-4.445) 10(5.35,-3.175) 11(5.35,-1.905) 12(5.35,-0.635) 13(5.35,0.635) 14(5.35,1.905) 15(5.35,3.175) 16(5.35,4.445)
  silkscreen extent -3.67,-5.08 3.67,5.08, body extent -5.15,-5.16 5.16,5.17, height 2.48
SOIC127P600X175-16N#1 [mm]
  rect 1.525x0.65 smd: 1(-2.712,4.445) 2(-2.712,3.175) 3(-2.712,1.905) 4(-2.712,0.635) 5(-2.712,-0.635) 6(-2.712,-1.905) 7(-2.712,-3.175) 8(-2.712,-4.445) 9(2.712,-4.445) 10(2.712,-3.175) 11(2.712,-1.905) 12(2.712,-0.635) 13(2.712,0.635) 14(2.712,1.905) 15(2.712,3.175) 16(2.712,4.445)
  silkscreen extent -3.47,-4.95 1.6,5.12, body extent -3.01,-4.94 3.01,4.96, height 1.75
SOIC127P600X175-16N#2 [mm]
  oval 1.525x0.65 smd: 1(-2.712,4.445)
  rect 1.525x0.65 smd: 2(-2.712,3.175) 3(-2.712,1.905) 4(-2.712,0.635) 5(-2.712,-0.635) 6(-2.712,-1.905) 7(-2.712,-3.175) 8(-2.712,-4.445) 9(2.712,-4.445) 10(2.712,-3.175) 11(2.712,-1.905) 12(2.712,-0.635) 13(2.712,0.635) 14(2.712,1.905) 15(2.712,3.175) 16(2.712,4.445)
  silkscreen extent -3.47,-4.95 1.6,5.12, body extent -3.01,-4.94 3.01,4.96, height 1.75
SOT23-6_L [mm] "SOT23, 6-Leads, Body 2.9x1.6mm, Pitch 0.95mm, Lead Span 2.7mm, IPC High Density"
  rect 0.9x0.65 smd: 1(-1.2,0.95) 2(-1.2,0) 3(-1.2,-0.95) 4(1.2,-0.95) 5(1.2,0) 6(1.2,0.95)
  silkscreen extent -1.32,-1.55 0.35,1.95, body extent -0.9,-1.55 0.9,1.55, height 1.45
SOT95P280X130-3N [mm]
  rect 1.2x0.6 smd: 1(1.25,-0.95) 2(1.25,0.95) 3(-1.25,0)
  silkscreen extent -0.3,-1.5 1.85,1.45, body extent -1.4,-1.5 1.4,1.4, height 1.3
soT95p280x130-3n [mm]
  rect 1.2x0.6 smd: 1(1.25,-0.95) 2(1.25,0.95) 3(-1.25,0)
  silkscreen extent -0.3,-1.5 1.85,1.45, body extent -1.4,-1.5 1.4,1.4, height 1.3
SOT223 [mm] "SOT223, 4-Leads, Body 6.5x3.5mm, Pitch 2.30mm-Designer Abbas Basereh"
  oval 2.2x1 smd: 1(-3.2,2.3) 2(-3.2,0) 3(-3.2,-2.3)
  rect 2.2x3.2 smd: 4(3,0)
  Top Layer pour cut-out: -1.7,3.556 1.7,3.556 1.7,-3.556 -1.7,-3.556
  silkscreen extent -3.02,-3.4 1.9,3.48, body extent -3.5,-3.25 3.5,3.25, height 1.7
ss110 [mm]
  rect 2.65x1.75 smd: A(2.15,0) C(-2.15,0)
  silkscreen extent -4.54,-1.36 2.19,1.36, body extent -2.5,-1.36 2.5,1.34, height 2.25
TBUCA025050WH [mm]
  rect 1.85x3.4 smd: 1(-2.025,0) 3(2.025,0)
  rect 0.8x3.4 smd: 2(0,0)
  silkscreen extent -3.25,-2.5 3.25,2, body extent -3.25,-2 3.25,2, height 0.88
TOUCHPAD [mm]
  round 32.5 smd mask+0.102: 1(0,0)
  Top Layer pour cut-out: 0,-18.25 -6.984,-16.861 -12.905,-12.905 -16.861,-6.984 -18.25,0 -18.25,0 -16.861,6.984 -12.905,12.905 -6.984,16.861 0,18.25 0,18.25 6.984,16.861 12.905,12.905 16.861,6.984 18.25,0 18.25,0 16.861,-6.984 12.905,-12.905 6.984,-16.861 0,-18.25
  Bottom Layer pour cut-out: 0,-18.25 -6.984,-16.861 -12.905,-12.905 -16.861,-6.984 -18.25,0 -18.25,0 -16.861,6.984 -12.905,12.905 -6.984,16.861 0,18.25 0,18.25 6.984,16.861 12.905,12.905 16.861,6.984 18.25,0 18.25,0 16.861,-6.984 12.905,-12.905 6.984,-16.861 0,-18.25
TVS_2031-15T-SM-RPLF [mm]
  rect 1.3x5.6 smd: 1(-1.95,0) 2(1.95,0)
  silkscreen extent -3.6,-2.5 1,2.5
"XTAL RTC" [mm]
  round 1.3 hole 0.7: 1(0,1.55) 2(0,-1.55)
  silkscreen extent -1.55,-1.19 1.55,1.17, body extent -1.6,-1.72 1.6,1.73, height 8.98
XTAL_ECS-180-S-5P-DN-TR [mm]
  rect 5.5x2 smd: 1(-4.75,0) 2(4.75,0)
  silkscreen extent -5.7,-2.4 5.7,2.4, body extent -6.6,-2.39 6.6,2.41, height 4.3